# Altium PCB MODULE_CONTROL_V1.0.PcbDoc (part 1 of 2) (continued)
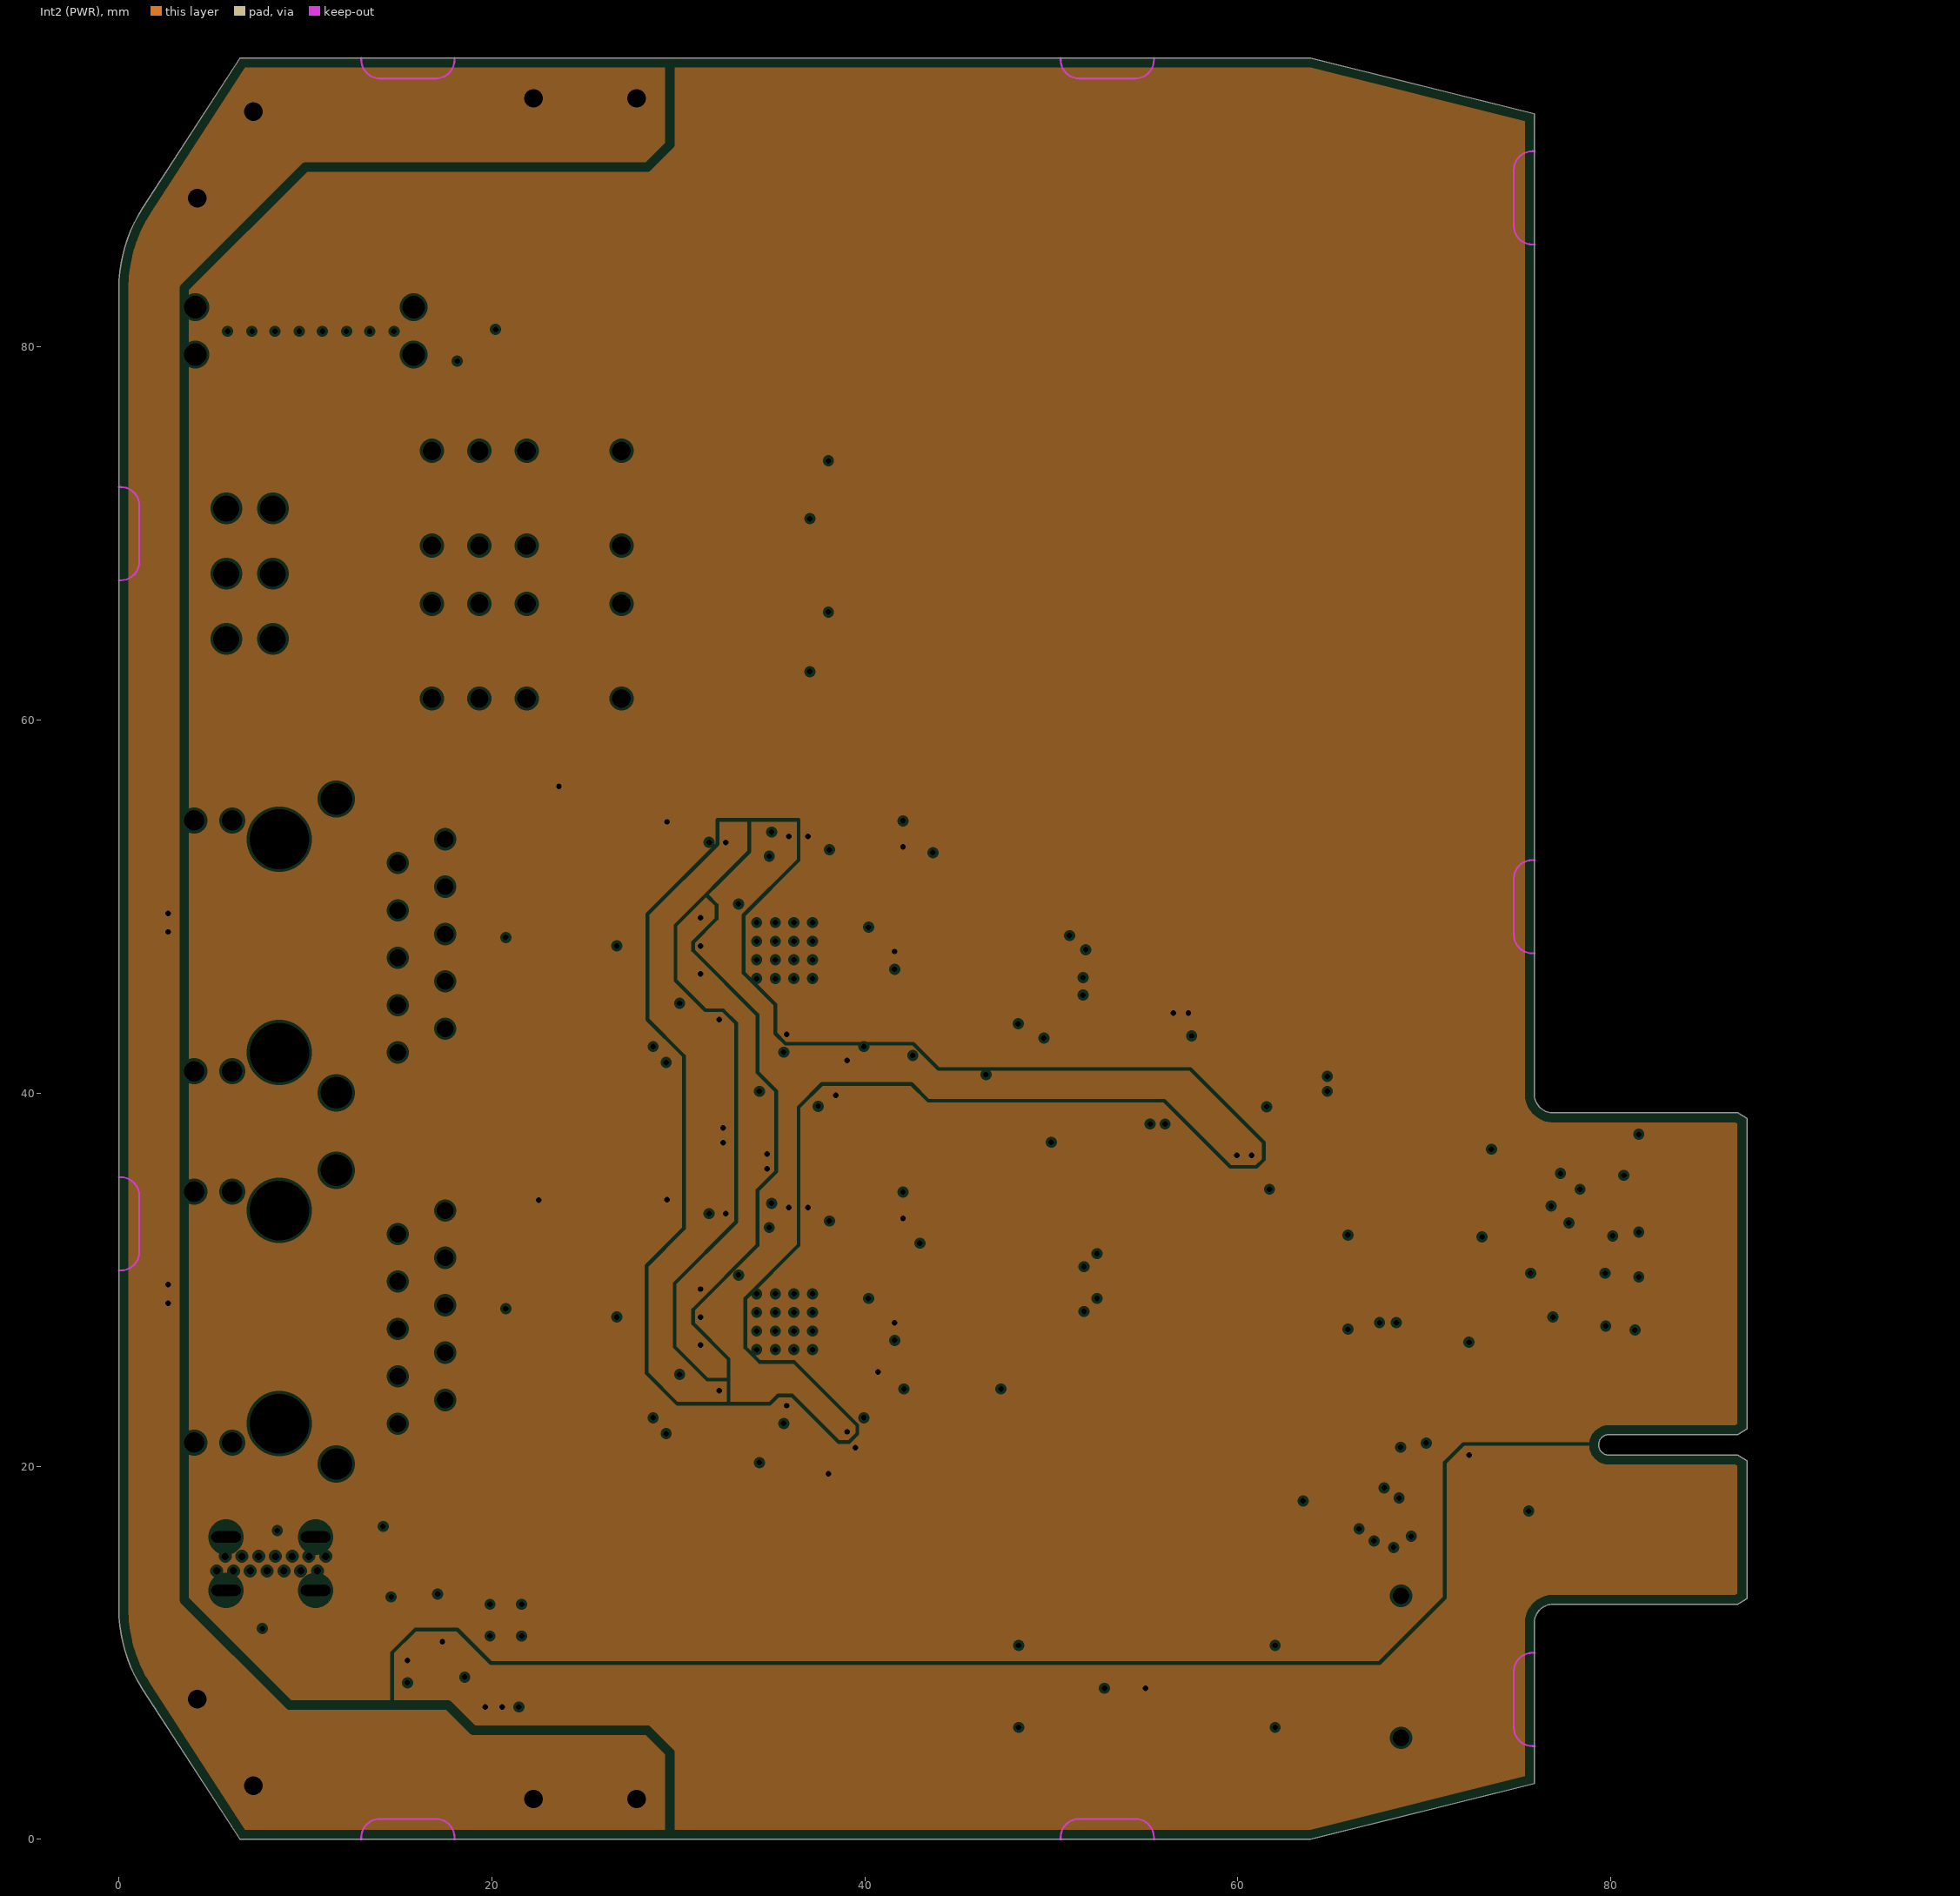
[diagram p3: Int2 (PWR), clearances drawn from the general rule]
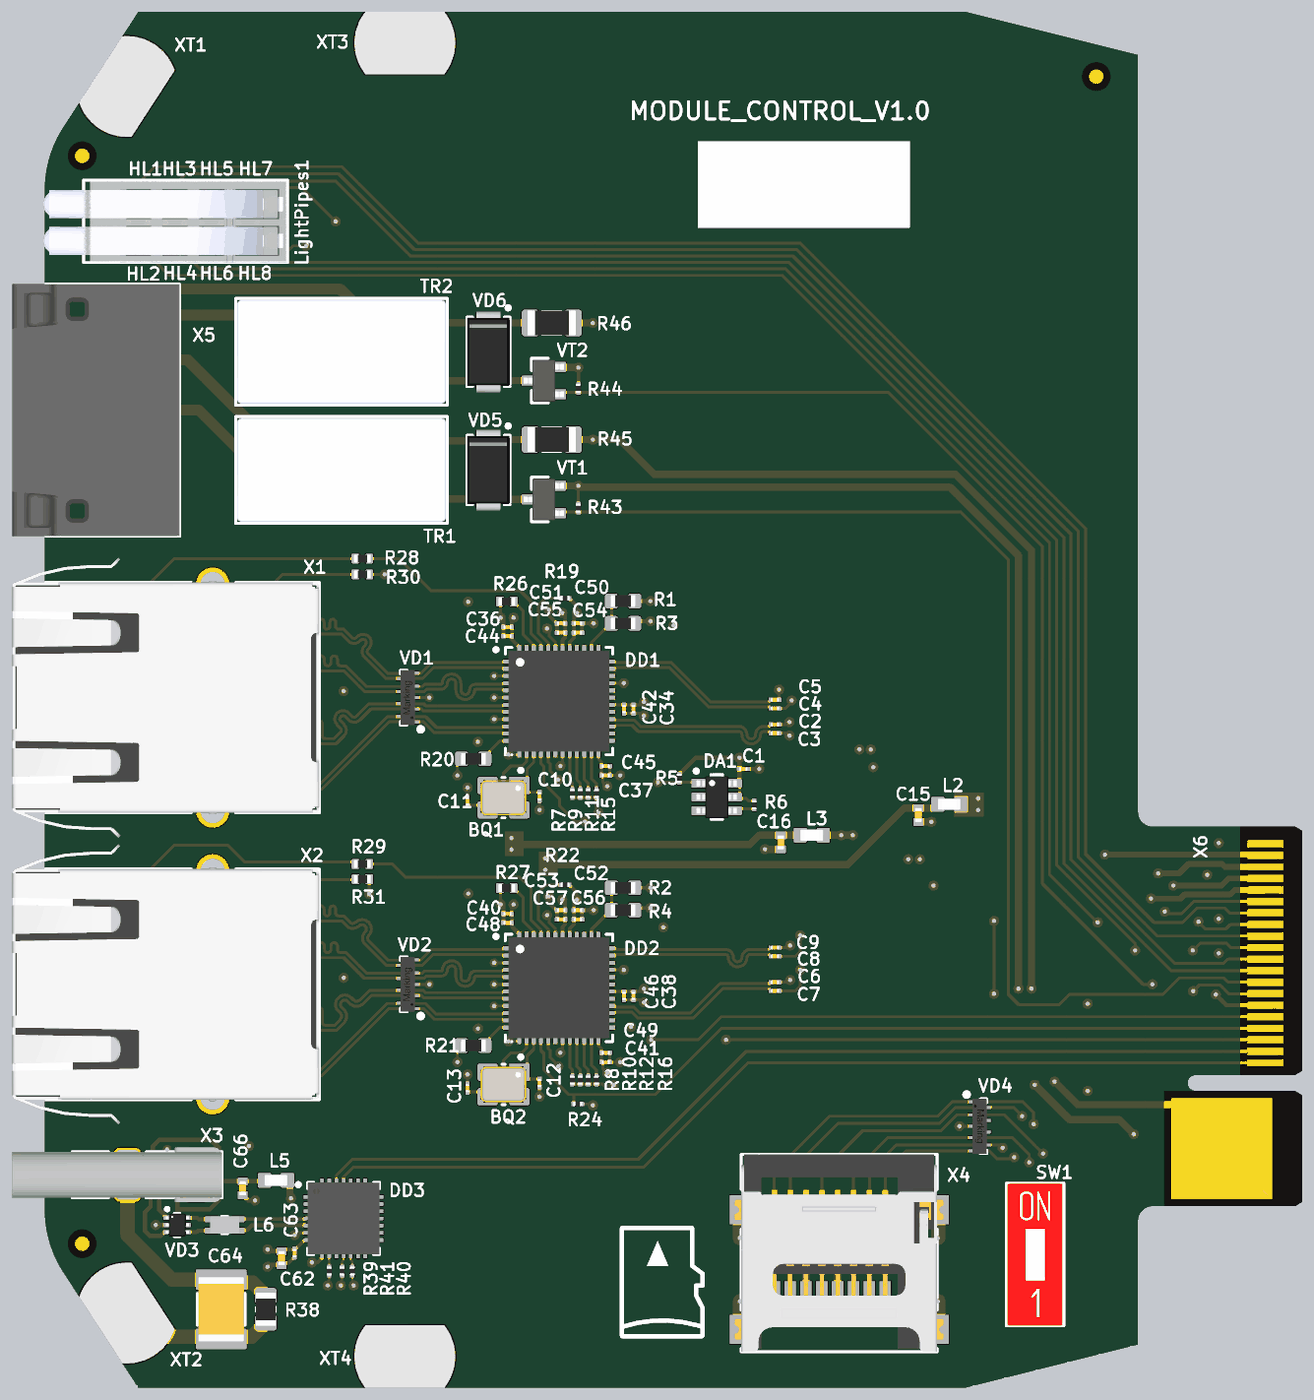
[diagram p5: 3D render of the assembled board from above, using the file's embedded part models]
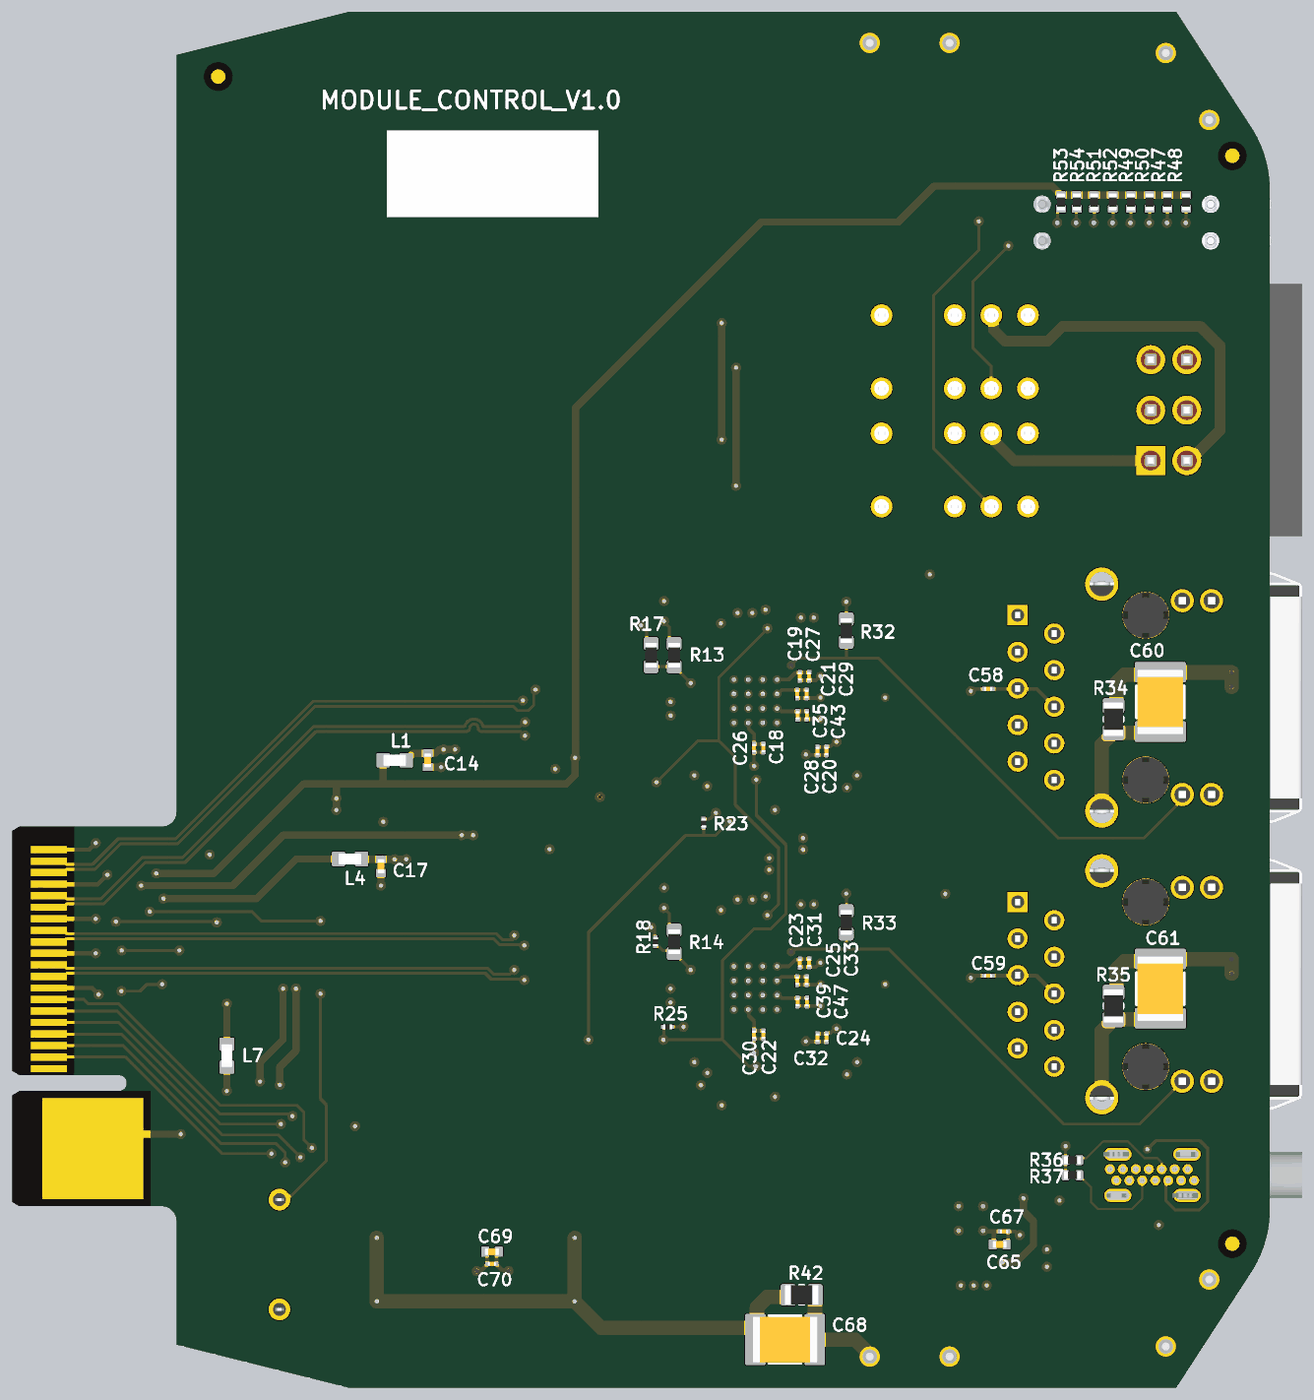
[diagram p6: 3D render of the assembled board from below, using the file's embedded part models]

## Layer stack, top to bottom
Top Solder: solder mask 0.0254, SM-001, Dk 4
Top Layer: signal copper 0.035
Dielectric 1: prepreg 0.1295, PP-017, Dk 4.3
Dielectric 2: prepreg 0.1295, PP-017, Dk 4.3
Int1 (GND): plane copper 0.035, net (Multiple Nets)
Dielectric 3: core 0.7112, Core-039, Dk 4.8
Int2 (PWR): plane copper 0.035, net (Multiple Nets)
Dielectric 4: prepreg 0.1295, PP-017, Dk 4.3
Dielectric 5: prepreg 0.1295, PP-017, Dk 4.3
Bottom Layer: signal copper 0.035
Bottom Solder: solder mask 0.0254, SM-001, Dk 4

## Board outline
6.5,0 1.291,8.022 cw(c8,12.379) 0,12.379 0,83.121 cw(c8,83.121) 1.291,87.478 6.5,95.5 63.9,95.5 75.9,92.5 75.9,39.95 ccw(c76.9,39.95) 76.9,38.95 86.8,38.95 87.3,38.65 87.3,22 86.8,21.7 79.9,21.7 ccw(c79.9,21.15) 79.9,20.6 86.8,20.6 87.3,20.3 87.3,12.9 86.8,12.6 76.9,12.6 ccw(c76.9,11.6) 75.9,11.6 75.9,3 63.9,0

## Design rules (kind name [scope] priority, off if disabled: settings)
BoardOutlineClearance BoardOutlineClearance_overlay [OnTopSilkscreen or OnBottomSilkscreen or IsKeepOut] p1: gap=0 ignorepadtopadclearanceinfootprint=FALSE
BoardOutlineClearance [All] p2: gap=0.5 ignorepadtopadclearanceinfootprint=FALSE except(0: Arc-SplitContinuation Track-SplitContinuation Poly-SplitContinuation Region-OutlineEdge Region-CavityEdge Region-CutoutEdge Region-SplitContinuation)
Clearance Clearance_Chassis [InNet('SHIELD')] p1: gap=0.5 ignorepadtopadclearanceinfootprint=FALSE
Clearance [All] p2: gap=0.1 ignorepadtopadclearanceinfootprint=FALSE
ComponentClearance [All] p1: gap=0.2 collisioncheckmode=3 verticalgap=0.2 showdistances=FALSE
DiffPairsRouting "90 Ohm" [InDifferentialPair('USB_D')] p1: maxlimit=0.15 minlimit=0.127 mostfreqgap=0.15 toplayer_minwidth=0.227 toplayer_maxwidth=0.265 toplayer_prefwidth=0.265 bottomlayer_minwidth=0.227 bottomlayer_maxwidth=0.265 bottomlayer_prefwidth=0.265 maxuncoupledlength=12.7
DiffPairsRouting [All] p2: maxlimit=0.3 minlimit=0.1 mostfreqgap=0.149 toplayer_minwidth=0.1 toplayer_maxwidth=0.5 toplayer_prefwidth=0.199 bottomlayer_minwidth=0.1 bottomlayer_maxwidth=0.5 bottomlayer_prefwidth=0.199 maxuncoupledlength=12.7
HoleSize [All] p1: absolutevalues=TRUE maxlimit=20 minlimit=0.2 maxpercent=80.000 minpercent=20.000
HoleToHoleClearance [All] p1: gap=0.25 allowstackedmicrovias=TRUE
MatchedLengths MatchLengths_xSignals_X2_DD4 [InxSignalClass('xSignals_X2_DD4_MatchLengthsClass')] p1: tolerance=0.5 checknetsindiffpair=FALSE checkdiffpairvsdiffpair=TRUE checkxsignals=TRUE checkothers=TRUE
MinimumAnnularRing [All] p1: minimumring=0.15
MinimumSolderMaskSliver [All] p1: minsoldermaskwidth=0.06
PlaneClearance [All] p1: clearance=0.15
PlaneConnect [All] p1: pad.planeconnectstyle=Relief pad.reliefexpansion=0.2 pad.reliefentries=4 pad.reliefconductorwidth=0.4 pad.reliefairgap=0.25 via.planeconnectstyle=Direct via.reliefexpansion=0.5 via.reliefentries=4 via.reliefconductorwidth=0.25 via.reliefairgap=0.25
PolygonConnect [All] p1: thpad.connectstyle=Relief thpad.reliefconductorwidth=0.25 thpad.reliefentries=4 thpad.polygonreliefangle="90 Angle" thpad.airgapwidth=0.25 smdpad.connectstyle=Relief smdpad.reliefconductorwidth=0.25 smdpad.reliefentries=4 smdpad.polygonreliefangle="90 Angle" smdpad.airgapwidth=0.25 via.connectstyle=Direct via.reliefconductorwidth=0.25 via.reliefentries=4 via.polygonreliefangle="90 Angle" via.airgapwidth=0.25
RoutingCorners [All] p1: cornerstyle=45-Degree minsetback=2 maxsetback=2
RoutingVias [All] p1: holewidth=0.25 width=0.55 viastyle="Through Hole" minholewidth=0.2 minwidth=0.5 maxholewidth=2 maxwidth=5
SilkToSilkClearance [All] p1: silktosilkclearance=0.1
SilkToSolderMaskClearance [IsPad] p1: minsilkscreentomaskgap=0.05 clearancetoexposedcopper=TRUE
SolderMaskExpansion [All] p1: expansion=0.07
Width [All] p1: maxlimit=20 minlimit=0.1 preferedwidth=0.15
20 further rules are at their usual default settings.

## Classes and differential pairs
net class PHY0_TXRX: PHY0_TXRX_A_N PHY0_TXRX_A_P PHY0_TXRX_B_N PHY0_TXRX_B_P PHY0_TXRX_C_N PHY0_TXRX_C_P PHY0_TXRX_D_N PHY0_TXRX_D_P
net class PHY1_TXRX: PHY1_TXRX_A_N PHY1_TXRX_A_P PHY1_TXRX_B_N PHY1_TXRX_B_P PHY1_TXRX_C_N PHY1_TXRX_C_P PHY1_TXRX_D_N PHY1_TXRX_D_P
differential pair P0_SGMII_RX: +P0_SGMII_RX_P -P0_SGMII_RX_N
differential pair P0_SGMII_TX: +P0_SGMII_TX_P -P0_SGMII_TX_N
differential pair P1_SGMII_RX: +P1_SGMII_RX_P -P1_SGMII_RX_N
differential pair P1_SGMII_TX: +P1_SGMII_TX_P -P1_SGMII_TX_N
differential pair PHY0_TXRX_A: +PHY0_TXRX_A_P -PHY0_TXRX_A_N
differential pair PHY0_TXRX_B: +PHY0_TXRX_B_P -PHY0_TXRX_B_N
differential pair PHY0_TXRX_C: +PHY0_TXRX_C_P -PHY0_TXRX_C_N
differential pair PHY0_TXRX_D: +PHY0_TXRX_D_P -PHY0_TXRX_D_N
differential pair PHY1_TXRX_A: +PHY1_TXRX_A_P -PHY1_TXRX_A_N
differential pair PHY1_TXRX_B: +PHY1_TXRX_B_P -PHY1_TXRX_B_N
differential pair PHY1_TXRX_C: +PHY1_TXRX_C_P -PHY1_TXRX_C_N
differential pair PHY1_TXRX_D: +PHY1_TXRX_D_P -PHY1_TXRX_D_N
differential pair SGMII0_RX: +SGMII0_RX_P -SGMII0_RX_N
differential pair SGMII0_TX: +SGMII0_TX_P -SGMII0_TX_N
differential pair SGMII1_RX: +SGMII1_RX_P -SGMII1_RX_N
differential pair SGMII1_TX: +SGMII1_TX_P -SGMII1_TX_N
differential pair USB_D: +USB_D_P -USB_D_N

## Components (designator, comment, footprint, x,y, rotation, side; value= is the part's Value field where it differs from the comment)
1 "Comment" Fiducial 2.6,85.5 r0 top locked
2 "Comment" Fiducial 73,91 r0 top locked
3 "Comment" Fiducial 73,91 r180 bottom locked
4 "Comment" Fiducial 2.6,85.5 r180 bottom locked
5 "Comment" Fiducial 2.6,10 r180 bottom locked
BQ1 "25 MHz" "3225 Crystal" 31.85,40.95 r180 top
BQ2 "25 MHz" "3225 Crystal" 31.85,21.05 r180 top
C1 "0,1 мкФ" CAP0201(0603x03)N 48.5,42.95 r0 top
C2 "0,1 мкФ" CAP0201(0603x03)N 50.7,46.03 r180 top
C3 "0,1 мкФ" CAP0201(0603x03)N 50.7,45.43 r180 top
C4 "0,1 мкФ" CAP0201(0603x03)N 50.7,47.15 r180 top
C5 "0,1 мкФ" CAP0201(0603x03)N 50.7,47.75 r180 top
C6 "0,1 мкФ" CAP0201(0603x03)N 50.7,28.15 r180 top
C7 "0,1 мкФ" CAP0201(0603x03)N 50.7,27.55 r180 top
C8 "0,1 мкФ" CAP0201(0603x03)N 50.7,29.95 r180 top
C9 "0,1 мкФ" CAP0201(0603x03)N 50.7,30.55 r180 top
C10 "22 пФ" CAP0201(0603x03)N 34.35,41.05 r90 top
C11 "22 пФ" CAP0201(0603x03)N 29.35,40.7 r270 top
C12 "22 пФ" CAP0201(0603x03)N 34.35,21.15 r90 top
C13 "22 пФ" CAP0201(0603x03)N 29.35,20.8 r270 top
C14 "10 мкФ" CAP0402(1005x05)N 58.45,43.55 r90 bottom
C15 "10 мкФ" CAP0402(1005x05)N 60.65,39.75 r90 top
C16 "10 мкФ" CAP0402(1005x05)N 51.1,37.85 r90 top
C17 "10 мкФ" CAP0402(1005x05)N 61.7,36.2 r90 bottom
C18 "1 мкФ" CAP0201(0603x03)N 35.15,44.4 r90 bottom
C19 "1 мкФ" CAP0201(0603x03)N 32.625,49.375 r90 bottom
C20 "1 мкФ" CAP0201(0603x03)N 30.77,44.2 r90 bottom
C21 "1 мкФ" CAP0201(0603x03)N 32.8,48.15 r90 bottom
C22 "1 мкФ" CAP0201(0603x03)N 35.15,24.5 r90 bottom
C23 "1 мкФ" CAP0201(0603x03)N 32.625,29.475 r90 bottom
C24 "1 мкФ" CAP0201(0603x03)N 30.77,24.3 r90 bottom
C25 "1 мкФ" CAP0201(0603x03)N 32.8,28.25 r90 bottom
C26 "0,1 мкФ" CAP0201(0603x03)N 35.8,44.4 r90 bottom
C27 "0,1 мкФ" CAP0201(0603x03)N 31.975,49.375 r90 bottom
C28 "0,1 мкФ" CAP0201(0603x03)N 31.395,44.2 r90 bottom
C29 "0,1 мкФ" CAP0201(0603x03)N 32.15,48.15 r90 bottom
C30 "0,1 мкФ" CAP0201(0603x03)N 35.8,24.5 r90 bottom
C31 "0,1 мкФ" CAP0201(0603x03)N 31.975,29.5 r90 bottom
C32 "0,1 мкФ" CAP0201(0603x03)N 31.395,24.3 r90 bottom
C33 "0,1 мкФ" CAP0201(0603x03)N 32.15,28.25 r90 bottom
C34 "1 мкФ" CAP0201(0603x03)N 40.87,47.1 r270 top
C35 "1 мкФ" CAP0201(0603x03)N 32.775,46.675 r90 bottom
C36 "1 мкФ" CAP0201(0603x03)N 32.125,52.795 r180 top
C37 "1 мкФ" CAP0201(0603x03)N 38.95,42.5 r0 top
C38 "1 мкФ" CAP0201(0603x03)N 40.87,27.2 r270 top
C39 "1 мкФ" CAP0201(0603x03)N 32.775,26.775 r90 bottom
C40 "1 мкФ" CAP0201(0603x03)N 32.125,32.895 r180 top
C41 "1 мкФ" CAP0201(0603x03)N 38.95,22.6 r0 top
C42 "0,1 мкФ" CAP0201(0603x03)N 40.22,47.1 r270 top
C43 "0,1 мкФ" CAP0201(0603x03)N 32.125,46.675 r90 bottom
C44 "0,1 мкФ" CAP0201(0603x03)N 32.125,52.17 r180 top
C45 "0,1 мкФ" CAP0201(0603x03)N 38.95,43.15 r0 top
C46 "0,1 мкФ" CAP0201(0603x03)N 40.22,27.2 r270 top
C47 "0,1 мкФ" CAP0201(0603x03)N 32.125,26.775 r90 bottom
C48 "0,1 мкФ" CAP0201(0603x03)N 32.125,32.27 r180 top
C49 "0,1 мкФ" CAP0201(0603x03)N 38.95,23.25 r0 top
C50 "1 мкФ" CAP0201(0603x03)N 37.025,53.05 r0 top
C51 "1 мкФ" CAP0201(0603x03)N 35.85,53.05 r180 top
C52 "1 мкФ" CAP0201(0603x03)N 37.025,33.15 r0 top
C53 "1 мкФ" CAP0201(0603x03)N 35.85,33.15 r180 top
C54 "0,1 мкФ" CAP0201(0603x03)N 37.025,52.4 r0 top
C55 "0,1 мкФ" CAP0201(0603x03)N 35.85,52.4 r180 top
C56 "0,1 мкФ" CAP0201(0603x03)N 37.025,32.5 r0 top
C57 "0,1 мкФ" CAP0201(0603x03)N 35.85,32.5 r180 top
C58 "0,1 мкФ" CAP0201(0603x03)N 19.55,48.5 r180 bottom
C59 "0,1 мкФ" CAP0201(0603x03)N 19.55,28.6 r180 bottom
C60 "2200 пФ 4 кВ" CAP1812(4532x25)N 7.6,47.6 r90 bottom
C61 "2200 пФ 4 кВ" CAP1812(4532x25)N 7.6,27.7 r90 bottom
C62 "4,7 мкФ" CAP0402(1005x05)N 16.45,9 r90 top
C63 "0,1 мкФ" CAP0201(0603x03)N 17.35,9.35 r270 top
C64 "2200 пФ 4 кВ" CAP1812(4532x25)N 12.25,5.45 r270 top
C65 "4,7 мкФ" CAP0402(1005x05)N 18.75,9.95 r180 bottom
C66 "4,7 мкФ" CAP0402(1005x05)N 13.75,13.85 r90 top
C67 "0,1 мкФ" CAP0201(0603x03)N 18.45,10.85 r0 bottom
C68 "2200 пФ 4 кВ" CAP1812(4532x25)N 33.65,3.35 r180 bottom
C69 "4,7 мкФ" CAP0402(1005x05)N 54,9.45 r0 bottom
C70 "0,1 мкФ" CAP0201(0603x03)N 54,8.6 r180 bottom
DA1 "TPS3808G25DBV" SOT23-6 46.65,41 r0 top
DD1 "DP83867ERGZ" "RGZ (S-PVQFN-N48)" 35.7,47.65 r0 top locked
DD2 "DP83867ERGZ" "RGZ (S-PVQFN-N48)" 35.7,27.75 r0 top locked
DD3 "CP2102" "QFN-28 (5x5x1)" 20.75,11.75 r0 top
HL1 "KPTD-1608CGCK (зелёный)" A(K)PTD1608CGCK-pads-for-Mentor-lightpipes 6.485,82.14 r0 top locked
HL2 "KPTD-1608CGCK (зелёный)" A(K)PTD1608CGCK-pads-for-Mentor-lightpipes 6.485,79.6 r180 top locked
HL3 "KPTD-1608CGCK (зелёный)" A(K)PTD1608CGCK-pads-for-Mentor-lightpipes 9.025,82.14 r0 top locked
HL4 "KPTD-1608CGCK (зелёный)" A(K)PTD1608CGCK-pads-for-Mentor-lightpipes 9.025,79.6 r180 top locked
HL5 "KPTD-1608CGCK (зелёный)" A(K)PTD1608CGCK-pads-for-Mentor-lightpipes 11.565,82.14 r0 top locked
HL6 "KPTD-1608CGCK (зелёный)" A(K)PTD1608CGCK-pads-for-Mentor-lightpipes 11.565,79.6 r180 top locked
HL7 "KPTD-1608CGCK (зелёный)" A(K)PTD1608CGCK-pads-for-Mentor-lightpipes 14.105,82.14 r0 top locked
HL8 "KPTD-1608CGCK (зелёный)" A(K)PTD1608CGCK-pads-for-Mentor-lightpipes 14.105,79.6 r180 top locked
L1 "SB01-160808121P" IND0603N 60.75,43.55 r180 bottom
L2 "SB01-160808121P" IND0603N 62.8,40.5 r180 top
L3 "SB01-160808121P" IND0603N 53.25,38.35 r180 top
L4 "SB01-160808121P" IND0603N 63.85,36.7 r180 bottom
L5 "SB01-160808121P" IND0603N 16.05,14.4 r0 top
L6 "WE-CNSW 744231091" "WE-CNSW 0805" 12.5,11.3 r0 top
L7 "SB01-160808121P" IND0603N 72.4,23.05 r90 bottom
LightPipes1 "Comment" 1296.2024 9.955,80.87 r90 top locked
R1 "2К49 1%" RES0603N 40.15,54.6 r0 top
R2 "2К49 1%" RES0603N 40.15,34.7 r0 top
R3 "5К76 1%" RES0603N 40.15,53.05 r0 top
R4 "5К76 1%" RES0603N 40.15,33.15 r0 top
R5 "2К2" RES0201N 44.05,42.3 r270 top
R6 "10K 1%" RES0201N 49.25,40.45 r270 top
R7 "2К2" RES0201N 36.63,41.25 r270 top
R8 "2К2" RES0201N 36.63,21.35 r90 top
R9 "2К2" RES0201N 37.18,41.25 r270 top
R10 "2К2" RES0201N 37.18,21.35 r90 top
R11 "2К2" RES0201N 37.73,41.25 r270 top
R12 "2К2" RES0201N 37.73,21.35 r90 top
R13 "5К76 1%" RES0603N 41.35,50.85 r270 bottom
R14 "4К02 1%" RES0603N 41.35,30.95 r270 bottom
R15 "2К2" RES0201N 38.3,41.25 r270 top
R16 "2К2" RES0201N 38.3,21.35 r90 top
R17 "2К49 1%" RES0603N 42.95,50.85 r270 bottom
R18 "10K 1%" RES0201N 42.65,30.95 r90 bottom
R19 "2К2" RES0201N 36.125,54.8 r180 top
R20 "11К 1%" RES0603N 29.75,43.65 r180 top
R21 "11К 1%" RES0603N 29.75,23.75 r180 top
R22 "2К2" RES0201N 36.125,34.9 r0 top
R23 "2К2" RES0201N 39.3,39.2 r270 bottom
R24 "2К2" RES0201N 37,19.7 r180 top
R25 "2К2" RES0201N 41.8,25.05 r0 bottom
R26 "470" RES0402N 32.075,54.575 r180 top
R27 "470" RES0402N 32.075,34.675 r180 top
R28 "470" RES0402N 22.05,57.55 r180 top
R29 "470" RES0402N 22.05,36.35 r180 top
R30 "470" RES0402N 22.05,56.45 r180 top
R31 "470" RES0402N 22.05,35.3 r180 top
R32 "2К49 1%" RES0603N 29.4,52.55 r270 bottom
R33 "2К49 1%" RES0603N 29.4,32.3 r270 bottom
R34 "9M1" RES0805N 10.85,46.4 r90 bottom
R35 "9M1" RES0805N 10.85,26.5 r90 bottom
R36 "5К1" RES0402N 13.7,15.8 r0 bottom
R37 "5К1" RES0402N 13.7,14.75 r0 bottom
R38 "9M1" RES0805N 15.35,5.45 r270 top
R39 "2К2" RES0201N 19.75,8.1 r270 top
R40 "2К2" RES0201N 21.35,8.1 r270 top
R41 "2К2" RES0201N 20.65,8.1 r270 top
R42 "9M1" RES0805N 32.5,6.45 r180 bottom
R43 "2К2" RES0201N 37.05,61.05 r270 top
R44 "2К2" RES0201N 37.05,69.35 r270 top
R45 "10 Ом" RES1206N 35.2,65.8 r180 top
R46 "10 Ом" RES1206N 35.2,73.9 r180 top
R47 "470" RES0402N 7.1,82.3 r270 bottom
R48 "470" RES0402N 5.8,82.3 r270 bottom
R49 "470" RES0402N 9.65,82.3 r270 bottom
R50 "470" RES0402N 8.35,82.3 r270 bottom
R51 "470" RES0402N 12.2,82.3 r270 bottom
R52 "470" RES0402N 10.9,82.3 r270 bottom
R53 "470" RES0402N 14.5,82.3 r270 bottom
R54 "470" RES0402N 13.4,82.3 r270 bottom
SW1 "DS1040-01RN" DS1040-01RN 68.75,9.25 r0 top locked
TR1 "V23079-A1003-B301" V23079-A1-MONOSTABLE 20.6,63.7 r180 top
TR2 "V23079-A1003-B301" V23079-A1-MONOSTABLE 20.6,71.9 r180 top
VD1 "WE-TVS 824014881" DFN3810-9L 25.2,47.9 r90 top
VD2 "WE-TVS 824014881" DFN3810-9L 25.2,28 r90 top
VD3 "WE-TVS 82400152" SOT-563 9.2,11.3 r0 top
VD4 "WE-TVS 824014881" DFN3810-9L 64.9,18.15 r270 top